# KiCad board lumpen.kicad_pcb (continued)
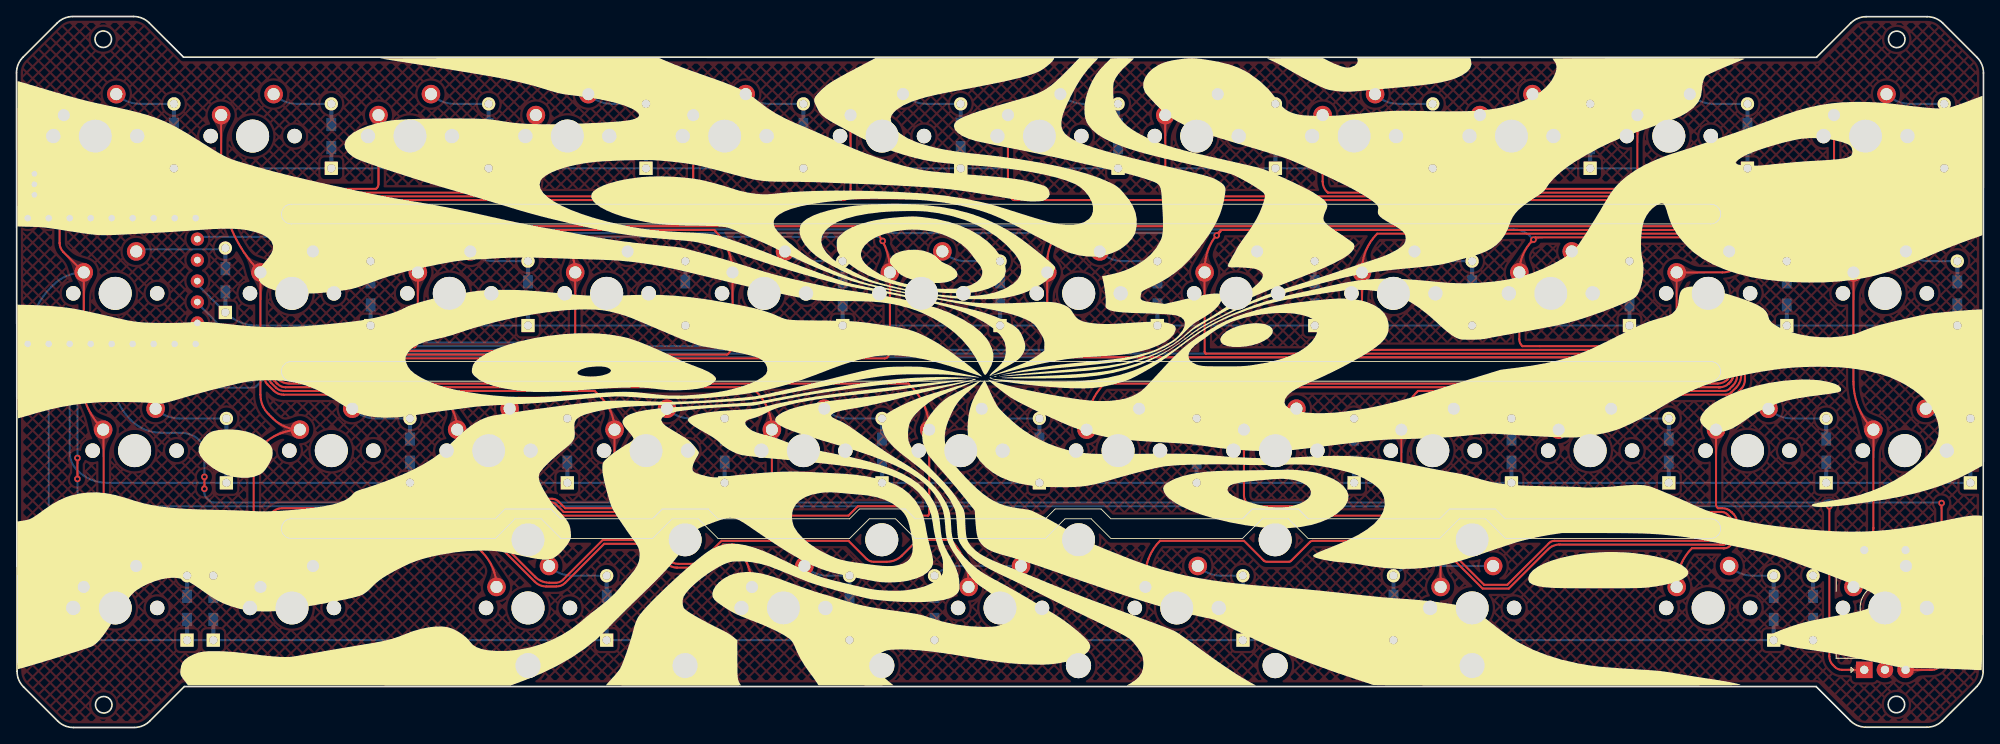
[diagram p0: board, top side]
## Copper pours and planes (outline as drawn; the poured copper is in the pictures) (continued)
Net-(D15-Pad2) on Bottom: 80.72,37.66 80.5,37.73 80.33,37.82 80.2,37.93 80.11,38.06 80.05,38.2 80,38.36 79.96,38.54 79.91,38.72 79.84,38.92 79.75,39.12 78.3,38.95 78.53,37.51 78.79,37.47 79.01,37.45 79.21,37.45 79.39,37.46 79.56,37.48 79.73,37.5 79.92,37.5 80.14,37.5 80.38,37.47 80.67,37.41
Net-(D15-Pad2) on Bottom: 84.14,37.31 84.33,37.3 84.49,37.27 84.61,37.23 84.72,37.17 84.82,37.11 84.91,37.03 85.01,36.96 85.11,36.87 85.24,36.79 85.39,36.71 86.13,37.43 85.39,38.15 85.24,38.07 85.11,37.99 85.01,37.91 84.91,37.83 84.82,37.75 84.72,37.69 84.61,37.63 84.49,37.59 84.33,37.57 84.14,37.56
Net-(D15-Pad2) on Bottom: 83.34,37.31 83.5,37.3 83.64,37.3 83.77,37.29 83.88,37.28 83.99,37.27 84.09,37.25 84.19,37.24 84.28,37.21 84.36,37.19 84.45,37.16 84.53,37.13 84.61,37.1 84.69,37.06 84.77,37.02 85.26,36.77 85.39,36.71 86.13,37.43 85.39,38.15 85.26,38.09 84.77,37.84 84.69,37.8 84.61,37.77 84.53,37.73 84.45,37.7 84.36,37.67 84.28,37.65 84.19,37.63 84.09,37.61 83.99,37.59 83.88,37.58 83.77,37.57 83.64,37.56 83.5,37.56 83.34,37.56
Net-(D15-Pad2) on Bottom: 81.81,37.56 81.63,37.56 81.46,37.57 81.3,37.59 81.15,37.62 81.02,37.66 80.9,37.7 80.78,37.75 80.68,37.81 80.58,37.88 80.49,37.96 80.41,38.04 80.33,38.13 80.26,38.23 80.18,38.33 80.11,38.45 80.04,38.57 79.97,38.7 79.9,38.83 79.75,39.12 78.3,38.95 78.75,37.49 78.95,37.48 79.12,37.48 79.29,37.48 79.44,37.47 79.59,37.46 79.72,37.45 79.85,37.44 80.46,37.37 80.6,37.36 80.73,37.35 80.88,37.33 81.04,37.32 81.21,37.32 81.39,37.31 81.59,37.31 81.81,37.31
Net-(D20-Pad2) on Bottom: 98.46,18.26 98.61,18.25 98.75,18.25 98.88,18.24 99,18.23 99.11,18.22 99.21,18.2 99.3,18.19 99.39,18.16 99.48,18.14 99.56,18.11 99.64,18.08 99.72,18.05 99.8,18.01 99.89,17.97 100.38,17.72 100.5,17.66 101.25,18.38 100.5,19.1 100.38,19.04 99.89,18.79 99.8,18.75 99.72,18.72 99.64,18.68 99.56,18.65 99.48,18.62 99.39,18.6 99.3,18.58 99.21,18.56 99.11,18.54 99,18.53 98.88,18.52 98.75,18.51 98.61,18.51 98.46,18.51
Net-(D20-Pad2) on Bottom: 97.36,18.61 97.14,18.68 96.96,18.77 96.84,18.88 96.75,19.01 96.69,19.15 96.64,19.31 96.59,19.49 96.54,19.67 96.48,19.87 96.39,20.07 94.94,19.9 95.17,18.46 95.43,18.42 95.65,18.4 95.84,18.4 96.02,18.41 96.2,18.43 96.37,18.45 96.56,18.45 96.77,18.45 97.02,18.42 97.31,18.36
Net-(D20-Pad2) on Bottom: 98.45,18.51 98.26,18.51 98.09,18.52 97.93,18.54 97.79,18.57 97.66,18.61 97.53,18.65 97.42,18.7 97.32,18.76 97.22,18.83 97.13,18.91 97.05,18.99 96.97,19.08 96.89,19.18 96.82,19.28 96.75,19.4 96.68,19.52 96.61,19.65 96.54,19.78 96.39,20.07 94.94,19.9 95.39,18.44 95.58,18.43 95.76,18.43 95.93,18.43 96.08,18.42 96.22,18.41 96.36,18.4 96.49,18.39 97.1,18.32 97.23,18.31 97.37,18.3 97.52,18.28 97.67,18.27 97.84,18.27 98.03,18.26 98.23,18.26 98.45,18.26
Net-(D20-Pad2) on Bottom: 99.26,18.26 99.44,18.25 99.6,18.22 99.73,18.18 99.83,18.12 99.93,18.06 100.02,17.98 100.12,17.91 100.23,17.82 100.35,17.74 100.5,17.66 101.25,18.38 100.5,19.1 100.35,19.02 100.23,18.94 100.12,18.86 100.02,18.78 99.93,18.7 99.83,18.64 99.73,18.58 99.6,18.54 99.44,18.52 99.26,18.51
Net-(D21-Pad2) on Bottom: 109.3,75.76 109.07,75.83 108.9,75.92 108.78,76.03 108.69,76.16 108.62,76.3 108.58,76.46 108.53,76.64 108.48,76.82 108.42,77.02 108.33,77.22 106.88,77.05 107.11,75.61 107.36,75.57 107.59,75.55 107.78,75.55 107.96,75.56 108.13,75.58 108.31,75.6 108.5,75.6 108.71,75.6 108.96,75.57 109.24,75.51
Net-(D21-Pad2) on Bottom: 111.92,75.41 112.07,75.4 112.21,75.4 112.34,75.39 112.46,75.38 112.57,75.37 112.67,75.35 112.76,75.34 112.85,75.31 112.94,75.29 113.02,75.26 113.1,75.23 113.18,75.2 113.27,75.16 113.35,75.12 113.84,74.87 113.96,74.81 114.71,75.53 113.96,76.25 113.84,76.19 113.35,75.94 113.27,75.9 113.18,75.87 113.1,75.83 113.02,75.8 112.94,75.77 112.85,75.75 112.76,75.73 112.67,75.71 112.57,75.69 112.46,75.68 112.34,75.67 112.21,75.66 112.07,75.66 111.92,75.66
Net-(D21-Pad2) on Bottom: 112.72,75.41 112.91,75.4 113.06,75.37 113.19,75.33 113.3,75.27 113.39,75.21 113.49,75.13 113.58,75.06 113.69,74.97 113.81,74.89 113.96,74.81 114.71,75.53 113.96,76.25 113.81,76.17 113.69,76.09 113.58,76.01 113.49,75.93 113.39,75.85 113.3,75.79 113.19,75.73 113.06,75.69 112.91,75.67 112.72,75.66
Net-(D21-Pad2) on Bottom: 110.39,75.66 110.2,75.66 110.03,75.67 109.87,75.69 109.73,75.72 109.59,75.76 109.47,75.8 109.36,75.85 109.25,75.91 109.16,75.98 109.07,76.06 108.98,76.14 108.91,76.23 108.83,76.33 108.76,76.43 108.69,76.55 108.62,76.67 108.55,76.8 108.48,76.93 108.33,77.22 106.88,77.05 107.32,75.59 107.52,75.58 107.7,75.58 107.87,75.58 108.02,75.57 108.16,75.56 108.3,75.55 108.43,75.54 109.04,75.47 109.17,75.46 109.31,75.45 109.45,75.43 109.61,75.42 109.78,75.42 109.97,75.41 110.17,75.41 110.39,75.41
Net-(D22-Pad2) on Bottom: 115.15,56.61 114.96,56.61 114.79,56.62 114.63,56.64 114.49,56.67 114.36,56.71 114.23,56.75 114.12,56.8 114.02,56.86 113.92,56.93 113.83,57.01 113.75,57.09 113.67,57.18 113.59,57.28 113.52,57.38 113.45,57.5 113.38,57.62 113.31,57.75 113.24,57.88 113.09,58.17 111.64,58 112.09,56.54 112.28,56.53 112.46,56.53 112.63,56.53 112.78,56.52 112.92,56.51 113.06,56.5 113.19,56.49 113.8,56.42 113.93,56.41 114.07,56.4 114.22,56.38 114.37,56.37 114.54,56.37 114.73,56.36 114.93,56.36 115.15,56.36
Net-(D22-Pad2) on Bottom: 116.68,56.36 116.83,56.35 116.97,56.35 117.1,56.34 117.22,56.33 117.33,56.32 117.43,56.3 117.53,56.29 117.62,56.26 117.7,56.24 117.78,56.21 117.87,56.18 117.95,56.15 118.03,56.11 118.11,56.07 118.6,55.82 118.72,55.76 119.47,56.48 118.72,57.2 118.6,57.14 118.11,56.89 118.03,56.85 117.95,56.82 117.87,56.78 117.78,56.75 117.7,56.72 117.62,56.7 117.53,56.68 117.43,56.66 117.33,56.64 117.22,56.63 117.1,56.62 116.97,56.61 116.83,56.61 116.68,56.61
Net-(D22-Pad2) on Bottom: 117.48,56.36 117.67,56.35 117.82,56.32 117.95,56.28 118.06,56.22 118.16,56.16 118.25,56.08 118.34,56.01 118.45,55.92 118.57,55.84 118.72,55.76 119.47,56.48 118.72,57.2 118.57,57.12 118.45,57.04 118.34,56.96 118.25,56.88 118.16,56.8 118.06,56.74 117.95,56.68 117.82,56.64 117.67,56.62 117.48,56.61
Net-(D22-Pad2) on Bottom: 114.06,56.71 113.84,56.78 113.67,56.87 113.54,56.98 113.45,57.11 113.39,57.25 113.34,57.41 113.29,57.59 113.24,57.77 113.18,57.97 113.09,58.17 111.64,58 111.87,56.56 112.13,56.52 112.35,56.5 112.54,56.5 112.72,56.51 112.9,56.53 113.07,56.55 113.26,56.55 113.47,56.55 113.72,56.52 114.01,56.46
Net-(D23-Pad2) on Bottom: 119.91,37.56 119.73,37.56 119.56,37.57 119.4,37.59 119.25,37.62 119.12,37.66 119,37.7 118.88,37.75 118.78,37.81 118.68,37.88 118.59,37.96 118.51,38.04 118.43,38.13 118.36,38.23 118.28,38.33 118.21,38.45 118.14,38.57 118.07,38.7 118,38.83 117.85,39.12 116.4,38.95 116.85,37.49 117.05,37.48 117.22,37.48 117.39,37.48 117.54,37.47 117.69,37.46 117.82,37.45 117.95,37.44 118.56,37.37 118.7,37.36 118.83,37.35 118.98,37.33 119.14,37.32 119.31,37.32 119.49,37.31 119.69,37.31 119.91,37.31
Net-(D23-Pad2) on Bottom: 122.24,37.31 122.43,37.3 122.59,37.27 122.71,37.23 122.82,37.17 122.92,37.11 123.01,37.03 123.11,36.96 123.21,36.87 123.34,36.79 123.49,36.71 124.23,37.43 123.49,38.15 123.34,38.07 123.21,37.99 123.11,37.91 123.01,37.83 122.92,37.75 122.82,37.69 122.71,37.63 122.59,37.59 122.43,37.57 122.24,37.56
Net-(D23-Pad2) on Bottom: 121.44,37.31 121.6,37.3 121.74,37.3 121.87,37.29 121.98,37.28 122.09,37.27 122.19,37.25 122.29,37.24 122.38,37.21 122.46,37.19 122.55,37.16 122.63,37.13 122.71,37.1 122.79,37.06 122.87,37.02 123.36,36.77 123.49,36.71 124.23,37.43 123.49,38.15 123.36,38.09 122.87,37.84 122.79,37.8 122.71,37.77 122.63,37.73 122.55,37.7 122.46,37.67 122.38,37.65 122.29,37.63 122.19,37.61 122.09,37.59 121.98,37.58 121.87,37.57 121.74,37.56 121.6,37.56 121.44,37.56
Net-(D23-Pad2) on Bottom: 118.82,37.66 118.6,37.73 118.43,37.82 118.3,37.93 118.21,38.06 118.15,38.2 118.1,38.36 118.06,38.54 118.01,38.72 117.94,38.92 117.85,39.12 116.4,38.95 116.63,37.51 116.89,37.47 117.11,37.45 117.31,37.45 117.49,37.46 117.66,37.48 117.83,37.5 118.02,37.5 118.24,37.5 118.48,37.47 118.77,37.41
Net-(D24-Pad2) on Bottom: 119.37,19.44 119.63,19.42 119.85,19.38 120.03,19.32 120.18,19.23 120.32,19.14 120.45,19.03 120.58,18.91 120.73,18.79 120.91,18.67 121.12,18.55 122.17,19.56 121.12,20.57 120.91,20.46 120.73,20.34 120.58,20.21 120.45,20.1 120.32,19.99 120.18,19.89 120.03,19.81 119.85,19.74 119.63,19.7 119.37,19.69
Net-(D24-Pad2) on Bottom: 112.41,19.38 112.22,19.31 112.06,19.26 111.91,19.24 111.78,19.22 111.66,19.22 111.54,19.22 111.41,19.22 111.28,19.21 111.12,19.19 110.95,19.16 110.82,18.13 111.86,18.05 111.92,18.19 111.96,18.33 111.99,18.46 112.02,18.58 112.05,18.7 112.09,18.8 112.15,18.9 112.23,18.99 112.35,19.07 112.51,19.15
Net-(D24-Pad2) on Bottom: 118.24,19.44 118.46,19.43 118.66,19.43 118.84,19.42 119,19.4 119.16,19.38 119.3,19.35 119.43,19.33 119.56,19.29 119.68,19.25 119.8,19.21 119.91,19.16 120.02,19.11 120.14,19.06 120.25,19 120.64,18.79 120.79,18.72 120.95,18.63 121.12,18.55 122.17,19.56 121.12,20.57 120.95,20.49 120.79,20.41 120.64,20.33 120.25,20.13 120.14,20.07 120.02,20.01 119.91,19.96 119.8,19.91 119.68,19.87 119.56,19.83 119.43,19.8 119.3,19.77 119.16,19.74 119,19.72 118.84,19.71 118.66,19.7 118.46,19.69 118.24,19.69
Net-(D24-Pad2) on Bottom: 113.2,19.61 110.98,19.17 110.82,18.13 111.86,18.05 112.01,18.36 112.05,18.46 112.09,18.55 112.14,18.63 112.18,18.71 112.23,18.79 112.28,18.86 112.33,18.93 112.39,18.99 112.45,19.04 112.52,19.1 112.6,19.15 112.68,19.19 112.78,19.23 112.88,19.27 112.99,19.31 113.11,19.34 113.25,19.37
Net-(D28-Pad2) on Bottom: 150.02,75.41 150.17,75.4 150.31,75.4 150.44,75.39 150.56,75.38 150.67,75.37 150.77,75.35 150.86,75.34 150.95,75.31 151.04,75.29 151.12,75.26 151.2,75.23 151.28,75.2 151.37,75.16 151.45,75.12 151.94,74.87 152.06,74.81 152.81,75.53 152.06,76.25 151.94,76.19 151.45,75.94 151.37,75.9 151.28,75.87 151.2,75.83 151.12,75.8 151.04,75.77 150.95,75.75 150.86,75.73 150.77,75.71 150.67,75.69 150.56,75.68 150.44,75.67 150.31,75.66 150.17,75.66 150.02,75.66
Net-(D28-Pad2) on Bottom: 147.4,75.76 147.17,75.83 147,75.92 146.88,76.03 146.79,76.16 146.72,76.3 146.68,76.46 146.63,76.64 146.58,76.82 146.52,77.02 146.43,77.22 144.98,77.05 145.21,75.61 145.46,75.57 145.69,75.55 145.88,75.55 146.06,75.56 146.23,75.58 146.41,75.6 146.6,75.6 146.81,75.6 147.06,75.57 147.34,75.51
Net-(D28-Pad2) on Bottom: 148.49,75.66 148.3,75.66 148.13,75.67 147.97,75.69 147.83,75.72 147.69,75.76 147.57,75.8 147.46,75.85 147.35,75.91 147.26,75.98 147.17,76.06 147.08,76.14 147.01,76.23 146.93,76.33 146.86,76.43 146.79,76.55 146.72,76.67 146.65,76.8 146.58,76.93 146.43,77.22 144.98,77.05 145.42,75.59 145.62,75.58 145.8,75.58 145.97,75.58 146.12,75.57 146.26,75.56 146.4,75.55 146.53,75.54 147.14,75.47 147.27,75.46 147.41,75.45 147.55,75.43 147.71,75.42 147.88,75.42 148.07,75.41 148.27,75.41 148.49,75.41
Net-(D28-Pad2) on Bottom: 150.82,75.41 151.01,75.4 151.16,75.37 151.29,75.33 151.4,75.27 151.49,75.21 151.59,75.13 151.68,75.06 151.79,74.97 151.91,74.89 152.06,74.81 152.81,75.53 152.06,76.25 151.91,76.17 151.79,76.09 151.68,76.01 151.59,75.93 151.49,75.85 151.4,75.79 151.29,75.73 151.16,75.69 151.01,75.67 150.82,75.66
Net-(D29-Pad2) on Bottom: 152.16,56.71 151.94,56.78 151.77,56.87 151.64,56.98 151.55,57.11 151.49,57.25 151.44,57.41 151.39,57.59 151.34,57.77 151.28,57.97 151.19,58.17 149.74,58 149.97,56.56 150.23,56.52 150.45,56.5 150.64,56.5 150.82,56.51 151,56.53 151.17,56.55 151.36,56.55 151.57,56.55 151.82,56.52 152.11,56.46
Net-(D29-Pad2) on Bottom: 154.78,56.36 154.93,56.35 155.07,56.35 155.2,56.34 155.32,56.33 155.43,56.32 155.53,56.3 155.63,56.29 155.72,56.26 155.8,56.24 155.88,56.21 155.97,56.18 156.05,56.15 156.13,56.11 156.21,56.07 156.7,55.82 156.82,55.76 157.57,56.48 156.82,57.2 156.7,57.14 156.21,56.89 156.13,56.85 156.05,56.82 155.97,56.78 155.88,56.75 155.8,56.72 155.72,56.7 155.63,56.68 155.53,56.66 155.43,56.64 155.32,56.63 155.2,56.62 155.07,56.61 154.93,56.61 154.78,56.61
Net-(D29-Pad2) on Bottom: 153.25,56.61 153.06,56.61 152.89,56.62 152.73,56.64 152.59,56.67 152.46,56.71 152.33,56.75 152.22,56.8 152.12,56.86 152.02,56.93 151.93,57.01 151.85,57.09 151.77,57.18 151.69,57.28 151.62,57.38 151.55,57.5 151.48,57.62 151.41,57.75 151.34,57.88 151.19,58.17 149.74,58 150.19,56.54 150.38,56.53 150.56,56.53 150.73,56.53 150.88,56.52 151.02,56.51 151.16,56.5 151.29,56.49 151.9,56.42 152.03,56.41 152.17,56.4 152.32,56.38 152.47,56.37 152.64,56.37 152.83,56.36 153.03,56.36 153.25,56.36
Net-(D29-Pad2) on Bottom: 155.58,56.36 155.77,56.35 155.92,56.32 156.05,56.28 156.16,56.22 156.26,56.16 156.35,56.08 156.44,56.01 156.55,55.92 156.67,55.84 156.82,55.76 157.57,56.48 156.82,57.2 156.67,57.12 156.55,57.04 156.44,56.96 156.35,56.88 156.26,56.8 156.16,56.74 156.05,56.68 155.92,56.64 155.77,56.62 155.58,56.61
Net-(D30-Pad2) on Bottom: 158.01,37.56 157.83,37.56 157.66,37.57 157.5,37.59 157.35,37.62 157.22,37.66 157.1,37.7 156.98,37.75 156.88,37.81 156.78,37.88 156.69,37.96 156.61,38.04 156.53,38.13 156.46,38.23 156.38,38.33 156.31,38.45 156.24,38.57 156.17,38.7 156.1,38.83 155.95,39.12 154.5,38.95 154.95,37.49 155.15,37.48 155.32,37.48 155.49,37.48 155.64,37.47 155.79,37.46 155.92,37.45 156.05,37.44 156.66,37.37 156.8,37.36 156.93,37.35 157.08,37.33 157.24,37.32 157.41,37.32 157.59,37.31 157.79,37.31 158.01,37.31
Net-(D30-Pad2) on Bottom: 160.34,37.31 160.53,37.3 160.69,37.27 160.81,37.23 160.92,37.17 161.02,37.11 161.11,37.03 161.21,36.96 161.31,36.87 161.44,36.79 161.59,36.71 162.33,37.43 161.59,38.15 161.44,38.07 161.31,37.99 161.21,37.91 161.11,37.83 161.02,37.75 160.92,37.69 160.81,37.63 160.69,37.59 160.53,37.57 160.34,37.56
Net-(D30-Pad2) on Bottom: 156.92,37.66 156.7,37.73 156.53,37.82 156.4,37.93 156.31,38.06 156.25,38.2 156.2,38.36 156.16,38.54 156.11,38.72 156.04,38.92 155.95,39.12 154.5,38.95 154.73,37.51 154.99,37.47 155.21,37.45 155.41,37.45 155.59,37.46 155.76,37.48 155.93,37.5 156.12,37.5 156.34,37.5 156.58,37.47 156.87,37.41
Net-(D30-Pad2) on Bottom: 159.54,37.31 159.7,37.3 159.84,37.3 159.97,37.29 160.08,37.28 160.19,37.27 160.29,37.25 160.39,37.24 160.48,37.21 160.56,37.19 160.65,37.16 160.73,37.13 160.81,37.1 160.89,37.06 160.97,37.02 161.46,36.77 161.59,36.71 162.33,37.43 161.59,38.15 161.46,38.09 160.97,37.84 160.89,37.8 160.81,37.77 160.73,37.73 160.65,37.7 160.56,37.67 160.48,37.65 160.39,37.63 160.29,37.61 160.19,37.59 160.08,37.58 159.97,37.57 159.84,37.56 159.7,37.56 159.54,37.56
Net-(D35-Pad2) on Bottom: 167.97,19.38 167.78,19.31 167.62,19.26 167.48,19.24 167.35,19.22 167.22,19.22 167.1,19.22 166.98,19.22 166.84,19.21 166.69,19.19 166.51,19.16 166.39,18.13 167.42,18.05 167.48,18.19 167.52,18.33 167.55,18.46 167.58,18.58 167.61,18.7 167.65,18.8 167.71,18.9 167.8,18.99 167.91,19.07 168.07,19.15
Net-(D35-Pad2) on Bottom: 168.76,19.61 166.55,19.17 166.39,18.13 167.42,18.05 167.57,18.36 167.61,18.46 167.66,18.55 167.7,18.63 167.75,18.71 167.79,18.79 167.84,18.86 167.9,18.93 167.95,18.99 168.02,19.04 168.09,19.1 168.16,19.15 168.25,19.19 168.34,19.23 168.44,19.27 168.55,19.31 168.67,19.34 168.81,19.37
Net-(D35-Pad2) on Bottom: 176.52,19.44 176.78,19.42 177,19.38 177.18,19.32 177.33,19.23 177.47,19.14 177.6,19.03 177.73,18.91 177.88,18.79 178.06,18.67 178.27,18.55 179.32,19.56 178.27,20.57 178.06,20.46 177.88,20.34 177.73,20.21 177.6,20.1 177.47,19.99 177.33,19.89 177.18,19.81 177,19.74 176.78,19.7 176.52,19.69
Net-(D35-Pad2) on Bottom: 175.39,19.44 175.61,19.43 175.81,19.43 175.99,19.42 176.15,19.4 176.31,19.38 176.45,19.35 176.58,19.33 176.71,19.29 176.83,19.25 176.95,19.21 177.06,19.16 177.17,19.11 177.29,19.06 177.4,19 177.79,18.79 177.94,18.72 178.1,18.63 178.27,18.55 179.32,19.56 178.27,20.57 178.1,20.49 177.94,20.41 177.79,20.33 177.4,20.13 177.29,20.07 177.17,20.01 177.06,19.96 176.95,19.91 176.83,19.87 176.71,19.83 176.58,19.8 176.45,19.77 176.31,19.74 176.15,19.72 175.99,19.71 175.81,19.7 175.61,19.69 175.39,19.69
Net-(D36-Pad2) on Bottom: 185.5,75.76 185.27,75.83 185.1,75.92 184.98,76.03 184.89,76.16 184.82,76.3 184.78,76.46 184.73,76.64 184.68,76.82 184.62,77.02 184.53,77.22 183.08,77.05 183.31,75.61 183.56,75.57 183.79,75.55 183.98,75.55 184.16,75.56 184.33,75.58 184.51,75.6 184.7,75.6 184.91,75.6 185.16,75.57 185.44,75.51
Net-(D36-Pad2) on Bottom: 188.12,75.41 188.27,75.4 188.41,75.4 188.54,75.39 188.66,75.38 188.77,75.37 188.87,75.35 188.96,75.34 189.05,75.31 189.14,75.29 189.22,75.26 189.3,75.23 189.38,75.2 189.47,75.16 189.55,75.12 190.04,74.87 190.16,74.81 190.91,75.53 190.16,76.25 190.04,76.19 189.55,75.94 189.47,75.9 189.38,75.87 189.3,75.83 189.22,75.8 189.14,75.77 189.05,75.75 188.96,75.73 188.87,75.71 188.77,75.69 188.66,75.68 188.54,75.67 188.41,75.66 188.27,75.66 188.12,75.66
Net-(D36-Pad2) on Bottom: 186.59,75.66 186.4,75.66 186.23,75.67 186.07,75.69 185.93,75.72 185.79,75.76 185.67,75.8 185.56,75.85 185.45,75.91 185.36,75.98 185.27,76.06 185.18,76.14 185.11,76.23 185.03,76.33 184.96,76.43 184.89,76.55 184.82,76.67 184.75,76.8 184.68,76.93 184.53,77.22 183.08,77.05 183.52,75.59 183.72,75.58 183.9,75.58 184.07,75.58 184.22,75.57 184.36,75.56 184.5,75.55 184.63,75.54 185.24,75.47 185.37,75.46 185.51,75.45 185.65,75.43 185.81,75.42 185.98,75.42 186.17,75.41 186.37,75.41 186.59,75.41
Net-(D36-Pad2) on Bottom: 188.92,75.41 189.11,75.4 189.26,75.37 189.39,75.33 189.5,75.27 189.59,75.21 189.69,75.13 189.78,75.06 189.89,74.97 190.01,74.89 190.16,74.81 190.91,75.53 190.16,76.25 190.01,76.17 189.89,76.09 189.78,76.01 189.69,75.93 189.59,75.85 189.5,75.79 189.39,75.73 189.26,75.69 189.11,75.67 188.92,75.66
Net-(D37-Pad2) on Bottom: 190.26,56.71 190.04,56.78 189.87,56.87 189.74,56.98 189.65,57.11 189.59,57.25 189.54,57.41 189.49,57.59 189.44,57.77 189.38,57.97 189.29,58.17 187.84,58 188.07,56.56 188.33,56.52 188.55,56.5 188.74,56.5 188.92,56.51 189.1,56.53 189.27,56.55 189.46,56.55 189.67,56.55 189.92,56.52 190.21,56.46
Net-(D37-Pad2) on Bottom: 192.88,56.36 193.03,56.35 193.17,56.35 193.3,56.34 193.42,56.33 193.53,56.32 193.63,56.3 193.73,56.29 193.82,56.26 193.9,56.24 193.98,56.21 194.07,56.18 194.15,56.15 194.23,56.11 194.31,56.07 194.8,55.82 194.92,55.76 195.67,56.48 194.92,57.2 194.8,57.14 194.31,56.89 194.23,56.85 194.15,56.82 194.07,56.78 193.98,56.75 193.9,56.72 193.82,56.7 193.73,56.68 193.63,56.66 193.53,56.64 193.42,56.63 193.3,56.62 193.17,56.61 193.03,56.61 192.88,56.61
Net-(D37-Pad2) on Bottom: 191.35,56.61 191.16,56.61 190.99,56.62 190.83,56.64 190.69,56.67 190.56,56.71 190.43,56.75 190.32,56.8 190.22,56.86 190.12,56.93 190.03,57.01 189.95,57.09 189.87,57.18 189.79,57.28 189.72,57.38 189.65,57.5 189.58,57.62 189.51,57.75 189.44,57.88 189.29,58.17 187.84,58 188.29,56.54 188.48,56.53 188.66,56.53 188.83,56.53 188.98,56.52 189.12,56.51 189.26,56.5 189.39,56.49 190,56.42 190.13,56.41 190.27,56.4 190.42,56.38 190.57,56.37 190.74,56.37 190.93,56.36 191.13,56.36 191.35,56.36
Net-(D37-Pad2) on Bottom: 193.68,56.36 193.87,56.35 194.02,56.32 194.15,56.28 194.26,56.22 194.36,56.16 194.45,56.08 194.54,56.01 194.65,55.92 194.77,55.84 194.92,55.76 195.67,56.48 194.92,57.2 194.77,57.12 194.65,57.04 194.54,56.96 194.45,56.88 194.36,56.8 194.26,56.74 194.15,56.68 194.02,56.64 193.87,56.62 193.68,56.61
Net-(D38-Pad2) on Bottom: 196.11,37.56 195.93,37.56 195.76,37.57 195.6,37.59 195.45,37.62 195.32,37.66 195.2,37.7 195.08,37.75 194.98,37.81 194.88,37.88 194.79,37.96 194.71,38.04 194.63,38.13 194.56,38.23 194.48,38.33 194.41,38.45 194.34,38.57 194.27,38.7 194.2,38.83 194.05,39.12 192.6,38.95 193.05,37.49 193.25,37.48 193.42,37.48 193.59,37.48 193.74,37.47 193.89,37.46 194.02,37.45 194.15,37.44 194.76,37.37 194.9,37.36 195.03,37.35 195.18,37.33 195.34,37.32 195.51,37.32 195.69,37.31 195.89,37.31 196.11,37.31
Net-(D38-Pad2) on Bottom: 198.44,37.31 198.63,37.3 198.79,37.27 198.91,37.23 199.02,37.17 199.12,37.11 199.21,37.03 199.31,36.96 199.41,36.87 199.54,36.79 199.69,36.71 200.43,37.43 199.69,38.15 199.54,38.07 199.41,37.99 199.31,37.91 199.21,37.83 199.12,37.75 199.02,37.69 198.91,37.63 198.79,37.59 198.63,37.57 198.44,37.56
Net-(D38-Pad2) on Bottom: 197.64,37.31 197.8,37.3 197.94,37.3 198.07,37.29 198.18,37.28 198.29,37.27 198.39,37.25 198.49,37.24 198.58,37.21 198.66,37.19 198.75,37.16 198.83,37.13 198.91,37.1 198.99,37.06 199.07,37.02 199.56,36.77 199.69,36.71 200.43,37.43 199.69,38.15 199.56,38.09 199.07,37.84 198.99,37.8 198.91,37.77 198.83,37.73 198.75,37.7 198.66,37.67 198.58,37.65 198.49,37.63 198.39,37.61 198.29,37.59 198.18,37.58 198.07,37.57 197.94,37.56 197.8,37.56 197.64,37.56
Net-(D38-Pad2) on Bottom: 195.02,37.66 194.8,37.73 194.63,37.82 194.5,37.93 194.41,38.06 194.35,38.2 194.3,38.36 194.26,38.54 194.21,38.72 194.14,38.92 194.05,39.12 192.6,38.95 192.83,37.51 193.09,37.47 193.31,37.45 193.51,37.45 193.69,37.46 193.86,37.48 194.03,37.5 194.22,37.5 194.44,37.5 194.68,37.47 194.97,37.41
Net-(D43-Pad2) on Bottom: 228.36,75.76 228.14,75.83 227.97,75.92 227.84,76.03 227.75,76.16 227.69,76.3 227.64,76.46 227.59,76.64 227.54,76.82 227.48,77.02 227.39,77.22 225.94,77.05 226.17,75.61 226.43,75.57 226.65,75.55 226.84,75.55 227.02,75.56 227.2,75.58 227.37,75.6 227.56,75.6 227.77,75.6 228.02,75.57 228.31,75.51
Net-(D43-Pad2) on Bottom: 231.78,75.41 231.97,75.4 232.12,75.37 232.25,75.33 232.36,75.27 232.46,75.21 232.55,75.13 232.64,75.06 232.75,74.97 232.87,74.89 233.02,74.81 233.77,75.53 233.02,76.25 232.87,76.17 232.75,76.09 232.64,76.01 232.55,75.93 232.46,75.85 232.36,75.79 232.25,75.73 232.12,75.69 231.97,75.67 231.78,75.66
Net-(D43-Pad2) on Bottom: 230.98,75.41 231.13,75.4 231.27,75.4 231.4,75.39 231.52,75.38 231.63,75.37 231.73,75.35 231.83,75.34 231.92,75.31 232,75.29 232.08,75.26 232.17,75.23 232.25,75.2 232.33,75.16 232.41,75.12 232.9,74.87 233.02,74.81 233.77,75.53 233.02,76.25 232.9,76.19 232.41,75.94 232.33,75.9 232.25,75.87 232.17,75.83 232.08,75.8 232,75.77 231.92,75.75 231.83,75.73 231.73,75.71 231.63,75.69 231.52,75.68 231.4,75.67 231.27,75.66 231.13,75.66 230.98,75.66
Net-(D43-Pad2) on Bottom: 229.45,75.66 229.26,75.66 229.09,75.67 228.93,75.69 228.79,75.72 228.66,75.76 228.53,75.8 228.42,75.85 228.32,75.91 228.22,75.98 228.13,76.06 228.05,76.14 227.97,76.23 227.89,76.33 227.82,76.43 227.75,76.55 227.68,76.67 227.61,76.8 227.54,76.93 227.39,77.22 225.94,77.05 226.39,75.59 226.58,75.58 226.76,75.58 226.93,75.58 227.08,75.57 227.22,75.56 227.36,75.55 227.49,75.54 228.1,75.47 228.23,75.46 228.37,75.45 228.52,75.43 228.67,75.42 228.84,75.42 229.03,75.41 229.23,75.41 229.45,75.41
Net-(D44-Pad2) on Bottom: 232.57,56.36 232.72,56.35 232.86,56.35 232.99,56.34 233.11,56.33 233.22,56.32 233.32,56.3 233.41,56.29 233.5,56.26 233.59,56.24 233.67,56.21 233.75,56.18 233.83,56.15 233.92,56.11 234,56.07 234.49,55.82 234.61,55.76 235.36,56.48 234.61,57.2 234.49,57.14 234,56.89 233.92,56.85 233.83,56.82 233.75,56.78 233.67,56.75 233.59,56.72 233.5,56.7 233.41,56.68 233.32,56.66 233.22,56.64 233.11,56.63 232.99,56.62 232.86,56.61 232.72,56.61 232.57,56.61
Net-(D44-Pad2) on Bottom: 233.37,56.36 233.56,56.35 233.71,56.32 233.84,56.28 233.95,56.22 234.04,56.16 234.14,56.08 234.23,56.01 234.34,55.92 234.46,55.84 234.61,55.76 235.36,56.48 234.61,57.2 234.46,57.12 234.34,57.04 234.23,56.96 234.14,56.88 234.04,56.8 233.95,56.74 233.84,56.68 233.71,56.64 233.56,56.62 233.37,56.61
Net-(D44-Pad2) on Bottom: 230.71,56.71 230.49,56.78 230.31,56.87 230.19,56.98 230.1,57.11 230.04,57.25 229.99,57.41 229.94,57.59 229.89,57.77 229.83,57.97 229.74,58.17 228.29,58 228.52,56.56 228.78,56.52 229,56.5 229.19,56.5 229.37,56.51 229.55,56.53 229.72,56.55 229.91,56.55 230.12,56.55 230.37,56.52 230.66,56.46
Net-(D44-Pad2) on Bottom: 231.8,56.61 231.61,56.61 231.44,56.62 231.28,56.64 231.14,56.67 231.01,56.71 230.88,56.75 230.77,56.8 230.67,56.86 230.57,56.93 230.48,57.01 230.4,57.09 230.32,57.18 230.24,57.28 230.17,57.38 230.1,57.5 230.03,57.62 229.96,57.75 229.89,57.88 229.74,58.17 228.29,58 228.74,56.54 228.93,56.53 229.11,56.53 229.28,56.53 229.43,56.52 229.57,56.51 229.71,56.5 229.84,56.49 230.45,56.42 230.58,56.41 230.72,56.4 230.87,56.38 231.02,56.37 231.19,56.37 231.38,56.36 231.58,56.36 231.8,56.36
Net-(D45-Pad2) on Bottom: 234.16,37.31 234.31,37.3 234.45,37.3 234.58,37.29 234.7,37.28 234.81,37.27 234.91,37.25 235,37.24 235.09,37.21 235.18,37.19 235.26,37.16 235.34,37.13 235.42,37.1 235.5,37.06 235.59,37.02 236.08,36.77 236.2,36.71 236.95,37.43 236.2,38.15 236.08,38.09 235.59,37.84 235.5,37.8 235.42,37.77 235.34,37.73 235.26,37.7 235.18,37.67 235.09,37.65 235,37.63 234.91,37.61 234.81,37.59 234.7,37.58 234.58,37.57 234.45,37.56 234.31,37.56 234.16,37.56
Net-(D45-Pad2) on Bottom: 234.21,37.56 234.03,37.56 233.86,37.57 233.7,37.59 233.55,37.62 233.42,37.66 233.3,37.7 233.18,37.75 233.08,37.81 232.98,37.88 232.89,37.96 232.81,38.04 232.73,38.13 232.66,38.23 232.58,38.33 232.51,38.45 232.44,38.57 232.37,38.7 232.3,38.83 232.15,39.12 230.7,38.95 231.15,37.49 231.35,37.48 231.52,37.48 231.69,37.48 231.84,37.47 231.99,37.46 232.12,37.45 232.25,37.44 232.86,37.37 233,37.36 233.13,37.35 233.28,37.33 233.44,37.32 233.61,37.32 233.79,37.31 233.99,37.31 234.21,37.31
